# Altium PCB Power Distribution Board.PcbDoc (part 1 of 2) (continued)
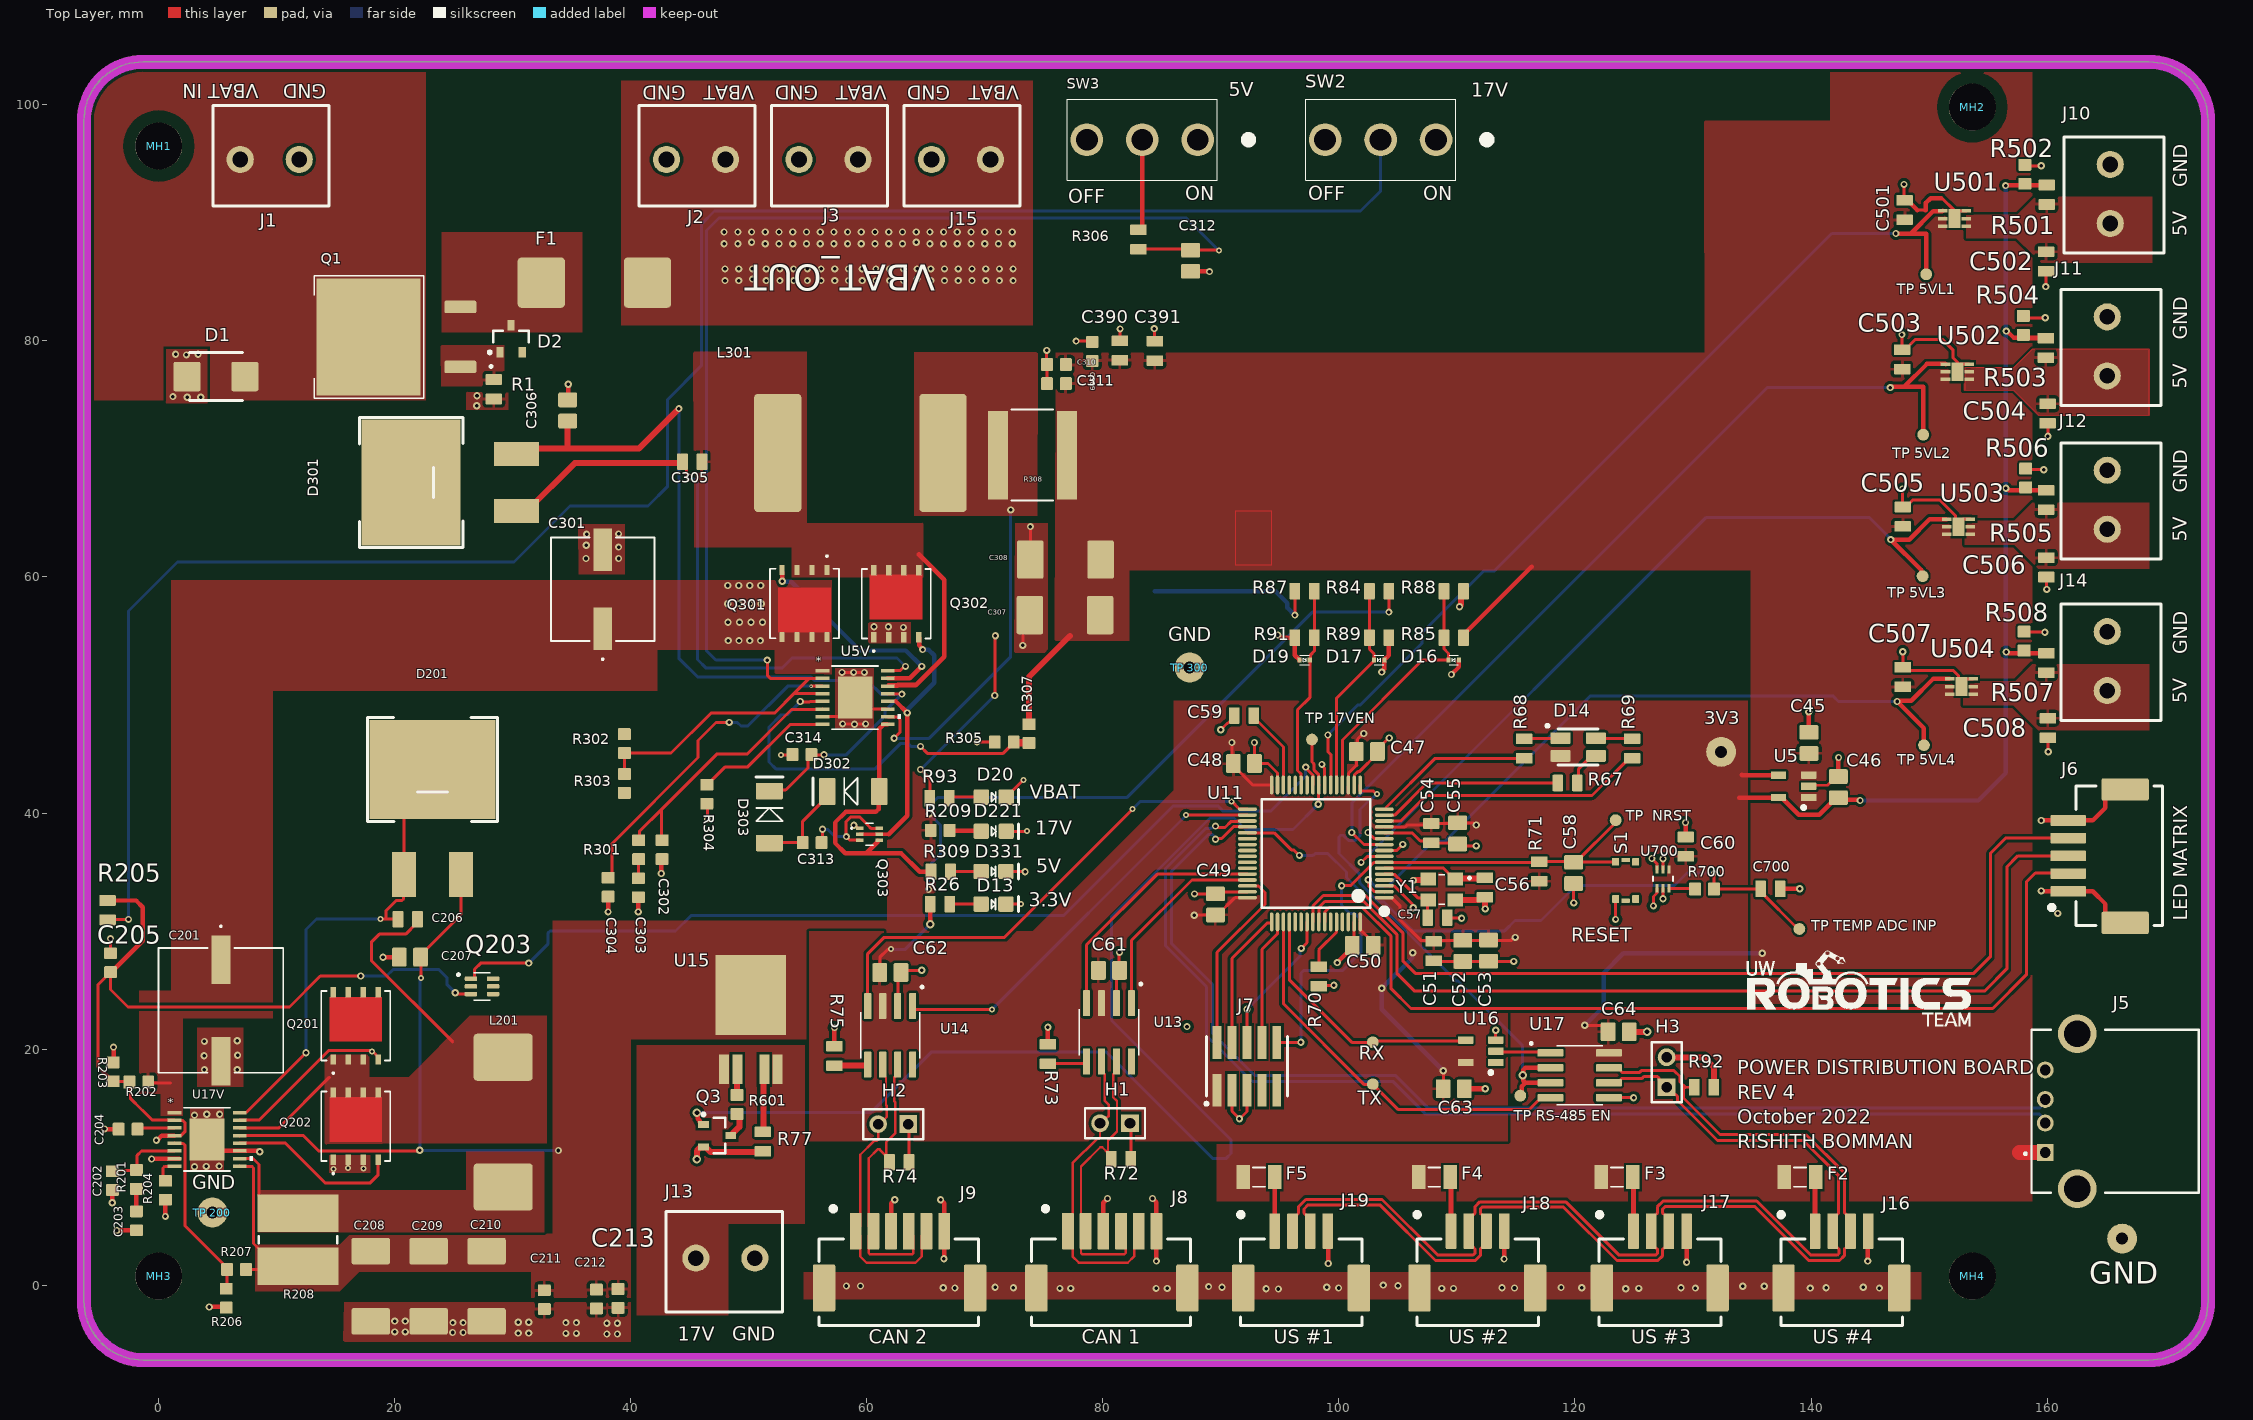
[diagram p0: Top Layer view]
## Footprints (in the part's own frame and the unit in brackets; to place one, negate y for a bottom-side part, rotate by r counter-clockwise, add the part's x,y. Pads: shape width x height; smd on the part's side, far side on the other; paste and mask are expansions set on the pad)
100SP1T1B4M2QE [mm]
  round 2.775 hole 1.85: 1(-4.7,0) 2(0,0) 3(4.7,0)
  silkscreen extent -9.3,-3.43 6.35,3.43, body extent -6.35,-3.43 6.35,3.43, height 29.63
1935161 [mm] "TERM BLK 2POS SIDE ENTRY 5MM PCB"
  round 2.3 hole 1.325: 1(-2.5,0) 2(2.5,0)
  silkscreen extent -5.01,-4.57 4.83,3.94, body extent -5.01,-5.06 5.39,3.94, height 11.41
CAP0603 [mm]
  rrect20% 1x1.1 smd: 1(-0.8,0) 2(0.8,0)
  body extent -0.87,-0.48 0.88,0.48, height 0.87
CAP0805 [mm] "Chip Capacitor, Body 2.0x1.2mm, Height 0.45mm, IPC Medium Density"
  rrect15% 0.9x1.4 smd: 1(-0.825,0) 2(0.825,0)
  body extent -1.1,-0.73 1.1,0.73, height 1.39
CAP2012 [mm]
  rrect20% 1.25x1.6 smd: 1(-0.895,0) 2(0.895,0)
  body extent -1.1,-0.7 1.1,0.75, height 1.41
CAP2917 [mm]
  rrect15% 2.25x3.25 smd: 1(-2.975,0) 2(2.975,0)
  body extent -3.78,-2.17 3.72,2.13, height 2.8
CAP_J-V_8X10P5_RUB-M [mil]
  rect 142x63 smd paste+0 mask+0: 1(-132,0) 2(132,0)
  silkscreen extent -236,-172 172,172, body extent -175,-167 175,167, height 415
CAP_UCD_10X10_NCH-M [mil]
  rect 162x63 smd paste+0 mask+0: 1(-169.5,0) 2(169.5,0)
  silkscreen extent -283,-208 208,208, body extent -222,-203 222,203, height 415
CP_6_3_ADI-M [mil]
  rect 32x11.78 smd paste+0 mask+0: 1(-39.5,25.59) 2(-39.5,0) 3(-39.5,-25.59) 4(39.5,-25.59) 5(39.5,0) 6(39.5,25.59)
  rect 39.37x62.99 smd paste+0 mask+0: 7(0,0)
  body extent -39,-39 39,39, height 4
"D2PAK (TO-263AB)" [mm] "TO-252AA"
  rect 2.032x3.81 smd: 1(-2.41,-8.905) 2(2.41,-8.905)
  rect 10.66x8.38 smd: 3(0,0)
  silkscreen extent -5.5,-4.4 5.5,4.4, body extent -5.1,-9.6 5.1,6.1, height 4.4
D2PAK-4 [mm]
  rect 0.85x2.5 smd: 1(-2.28,-4.2) 2(-1.14,-4.2) 4(1.14,-4.2) 5(2.28,-4.2)
  rect 6x6.75 smd: 3(0,2.1)
  body extent -3.25,-4.7 3.25,5.2, height 2.3
DFN5X6_8L_EP1_P_AOS-L [mil]
  rect 34x18 smd paste+0 mask+0: 1(-112,75) 2(-112,25) 3(-112,-25) 4(-112,-75) 5(112,-75) 6(112,-25) 7(112,25) 8(112,75)
  Top Layer region: 96,-87.5 96,87.5 -52,87.5 -52,-87.5
  silkscreen extent -161,-115 116,115, body extent -121,-110 121,110, height 39
"DPAK254P1524X483-4_3N - new" [mm]
  rrect25% 2.7x1.06 smd: 1(-6.4,2.54) 3(-6.4,-2.54)
  rect 8.8x9.9 smd: 2(1.397,0)
  silkscreen extent -9.1,-5.2 5.97,5.2, body extent -7.62,-5.08 7.62,5.08, height 4.83
DRL6-M [mm]
  rect 0.705x0.25 smd: 1(-0.802,0.5) 2(-0.802,0) 3(-0.802,-0.5) 4(0.802,-0.5) 5(0.802,0) 6(0.802,0.5)
  silkscreen extent -0.2,-0.85 0.2,0.85, body extent -0.85,-0.85 0.85,0.85, height 0.6
ES6-M [mil]
  rect 25x12 smd paste+0 mask+0: 1(-32,20) 2(-32,0) 3(-32,-20) 4(32,-20) 5(32,0) 6(32,20)
  silkscreen extent -62,-36 12,36, body extent -31,-31 31,31, height 22
FTSH-105-01-F-DV-K-P-TR [mil] "Samtec programming header 10 positions"
  rect 29x110 smd mask+2: 1(-100,-80) 2(-100,80) 3(-50,-80) 4(-50,80) 5(0,-80) 6(0,80) 7(50,-80) 8(50,80) 9(100,-80) 10(100,80)
  silkscreen extent -140,-130 135,100, body extent -125,-175 125,115, height 276
FUSE_1206 [mil]
  rect 45x80 smd mask+1: 1(-52.5,0) 2(52.5,0)
  silkscreen extent -20,-32 20,32, body extent -65,-32 65,32, height 32
FUSE_3912 [mm] "Chip Fuse, Body 9.8x2.03mm"
  rrect15% 4x4.25 smd: 1(-4.5,0) 2(4.5,0)
  body extent -4.9,-1.53 4.9,1.53, height 3.18
HDR1X2 [mm] "Connector; Header; 2 Position"
  rect 1.5x1.5 hole 0.9: 1(0,0)
  round 1.5 hole 0.9: 2(2.54,0)
  silkscreen extent -1.27,-1.27 3.81,1.27, body extent -1.27,-1.27 3.81,1.27, height 6.35
IND_BOURNS_SRP1265 [mm]
  rrect15% 4x5 smd: 1(-5.5,0) 2(5.5,0)
  body extent -6.95,-6.74 6.95,6.74, height 5.94
IND_MWLA1707S [mm]
  rrect15% 4x10 smd: 1(-7,0) 2(7,0)
  body extent -8.57,-8.57 8.6,8.57, height 7
LED_0805_GREEN [mm] "SMD, 2-Leads, Body 2x1.25mm"
  rrect20% 1.3x1.3 smd: 1(-1.05,0) 2(1.05,0)
  silkscreen extent -0.18,-0.64 2.11,0.64, body extent -1,-0.62 1,0.63, height 1.12
LED_RGB [mm]
  rrect20% 1x1.7 smd: 1(-0.75,-1.5) 2(-0.75,1.5) 3(0.75,1.5) 4(0.75,-1.5)
  silkscreen extent -1.92,-2.72 1.53,1.7, body extent -1.4,-1.75 1.4,1.75, height 1.89
LT3845AIFE#PBF [mil]
  rect 46x12 smd paste+0 mask+0: 1(-109,89.6) 2(-109,64) 3(-109,38.4) 4(-109,12.8) 5(-109,-12.8) 6(-109,-38.4) 7(-109,-64) 8(-109,-89.6) 9(109,-89.6) 10(109,-64) 11(109,-38.4) 12(109,-12.8) 13(109,12.8) 14(109,38.4) 15(109,64) 16(109,89.6)
  rect 116x141 smd paste-70 mask+0: 17(0,0)
  silkscreen extent -77,-106 152,106, body extent -126,-100 126,101, height 67
MOLEX-5025850470 [mm] "CLIK-Mate, Surface Mount, Right Angle, 1.5mm pitch"
  rrect15% 1.9x4 smd: 0(-7.125,4.82) 0(2.675,4.82)
  rrect15% 0.9x3 smd: 1(0,0) 2(-1.5,0) 3(-3,0) 4(-4.5,0)
  silkscreen extent -7.4,-1.6 3.07,8, body extent -7.45,-0.62 2.85,7.88, height 6.41
MOLEX-5025850570 [mm]
  rrect15% 1.9x4 smd: 0(-8.625,4.82) 0(2.675,4.82)
  rrect15% 0.9x3 smd: 1(0,0) 2(-1.5,0) 3(-3,0) 4(-4.5,0) 5(-6,0)
  silkscreen extent -8.9,-1.6 2.9,8, body extent -8.9,-0.5 2.9,8, height 6.21
MOLEX-5025850670 [mm]
  rrect15% 1.9x4 smd: 0(-10.125,4.82) 0(2.675,4.82)
  rrect15% 1x3.1 smd: 1(0,0) 2(-1.5,0) 3(-3,0) 4(-4.5,0) 5(-6,0) 6(-7.5,0)
  silkscreen extent -10.4,-2.1 3.1,8, body extent -10.25,-0.62 3.05,7.88, height 6.41
MOUNTING_HOLE_5/38#1 [mm] "Meant to use with Mcmaster-carr PN: 91443A250"
  round 3.97 hole 3.97 unplated mask+0.3: 0(-3.048,-2.286)
MOUNTING_HOLE_5/38#2 [mm] "Meant to use with Mcmaster-carr PN: 91443A250"
  round 3.97 hole 3.97 unplated mask+0.3: 0(33.274,0.508)
MOUNTING_HOLE_5/38#3 [mm] "Meant to use with Mcmaster-carr PN: 91443A250"
  round 3.97 hole 3.97 unplated mask+0.3: 0(-1.524,0)
MOUNTING_HOLE_5/38#4 [mm] "Meant to use with Mcmaster-carr PN: 91443A250"
  round 3.97 hole 3.97 unplated mask+0.3: 0(31.242,0.254)
RES0603 [mm] "Chip Resistor, Body 1.6x0.8mm, IPC Medium Density"
  rrect15% 1x1.1 smd: 1(0,0) 2(1.6,0)
  body extent 0,-0.4 1.6,0.4, height 0.46
RES0805 [mm] "Chip Resistor, 2-Leads, Body 2.00x1.25mm, IPC High Density"
  rrect15% 0.9x1.4 smd: 1(-0.825,0) 2(0.825,0)
  body extent -1,-0.62 1,0.63, height 0.61
SOD-128 [mm]
  rrect15% 1.4x2.3 smd: 1(-2.2,0) 2(2.2,0)
  silkscreen extent -0.36,-1.15 3.4,1.15, body extent -2.43,-1.24 2.43,1.24, height 1.05
SOD-923 [mm]
  rrect15% 0.35x0.45 smd mask+0.05: 1(-0.437,0) 2(0.437,0)
  silkscreen extent -0.4,-0.4 0.4,0.4, body extent -0.53,-0.32 0.53,0.32, height 0.43
SOIC127P600X175-8N [mm]
  rrect15% 2.2x0.6 smd: 1(-2.475,1.905) 2(-2.475,0.635) 3(-2.475,-0.635) 4(-2.475,-1.905) 5(2.475,-1.905) 6(2.475,-0.635) 7(2.475,0.635) 8(2.475,1.905)
  silkscreen extent -4.2,-2.51 1.95,2.8, body extent -3,-2.45 3,2.45, height 1.75
SOT23-3 [mm] "SOT23, 3-Leads, Body 2.90x2.30mm, Pitch 0.95mm, IPC Medium Density"
  rect 0.9x0.6 smd: 1(-1.15,0.95) 2(-1.15,-0.95) 3(1.15,0)
  silkscreen extent -1.27,-1.5 0.7,1.92, body extent -1.3,-1.5 1.3,1.5, height 1.1
SOT23-5 [mm]
  rrect15% 1.3x0.63 smd: 1(-1.279,0.95) 2(-1.279,0) 3(-1.279,-0.95) 4(1.279,-0.95) 5(1.279,0.95)
  silkscreen extent -0.99,1.66 -0.71,1.94, body extent -1.4,-1.45 1.4,1.45, height 1.2
SOT363 [mm]
  rrect50% 1.06x0.39 smd: 1(-0.935,0.65) 2(-0.935,0) 3(-0.935,-0.65) 4(0.935,-0.65) 5(0.935,0) 6(0.935,0.65)
  silkscreen extent -2.1,-1.16 0.68,1.16, body extent -1.05,-1 1.05,1, height 1.01
STA_CSSH2728_STP-M [mil]
  rect 67x295 smd paste+0 mask+0: 1(-115.5,0) 2(115.5,0)
  silkscreen extent -70,-152 70,152, body extent -137,-146 137,146, height 49
STAC-CSS2725-099H_V [mm] "Chip Resistor, 2-Leads, Body 7.06x6.7mm"
  rect 3.18x6.86 smd: 1(-2.25,0) 2(2.25,0)
  silkscreen extent -0.3,-3.33 0.3,3.33, body extent -3.53,-3.35 3.53,3.35, height 1.24
STM-LQFP64_L [mm] "QFP, 64-Leads, Body 10x10mm, Pitch 0.5mm, IPC High Density"
  oval 1.6x0.3 smd: 1(-5.8,3.75) 2(-5.8,3.25) 3(-5.8,2.75) 4(-5.8,2.25) 5(-5.8,1.75) 6(-5.8,1.25) 7(-5.8,0.75) 8(-5.8,0.25) 9(-5.8,-0.25) 10(-5.8,-0.75) 11(-5.8,-1.25) 12(-5.8,-1.75) 13(-5.8,-2.25) 14(-5.8,-2.75) 15(-5.8,-3.25) 16(-5.8,-3.75) 33(5.8,-3.75) 34(5.8,-3.25) 35(5.8,-2.75) 36(5.8,-2.25) 37(5.8,-1.75) 38(5.8,-1.25) 39(5.8,-0.75) 40(5.8,-0.25) 41(5.8,0.25) 42(5.8,0.75) 43(5.8,1.25) 44(5.8,1.75) 45(5.8,2.25) 46(5.8,2.75) 47(5.8,3.25) 48(5.8,3.75)
  oval 0.3x1.6 smd: 17(-3.75,-5.8) 18(-3.25,-5.8) 19(-2.75,-5.8) 20(-2.25,-5.8) 21(-1.75,-5.8) 22(-1.25,-5.8) 23(-0.75,-5.8) 24(-0.25,-5.8) 25(0.25,-5.8) 26(0.75,-5.8) 27(1.25,-5.8) 28(1.75,-5.8) 29(2.25,-5.8) 30(2.75,-5.8) 31(3.25,-5.8) 32(3.75,-5.8) 49(3.75,5.8) 50(3.25,5.8) 51(2.75,5.8) 52(2.25,5.8) 53(1.75,5.8) 54(1.25,5.8) 55(0.75,5.8) 56(0.25,5.8) 57(-0.25,5.8) 58(-0.75,5.8) 59(-1.25,5.8) 60(-1.75,5.8) 61(-2.25,5.8) 62(-2.75,5.8) 63(-3.25,5.8) 64(-3.75,5.8)
  silkscreen extent -5.93,-4.6 4.6,5.02, body extent -5.98,-6 6.02,6, height 1.56
TACTILE_SWITCH_SMD [mm]
  rrect15% 0.65x0.6 smd: 1(-1.575,0.85) 2(1.575,0.85) 3(1.575,-0.85) 4(-1.575,-0.85)
  rrect15% 0.35x0.7 smd: 5(1.725,0) 6(-1.725,0)
  body extent -1.75,-1.35 1.75,1.35, height 1.6
TESTPOINT_CIRCLE_1MM [mm]
  round 1 smd: 1(0,0)
TESTPOINT_LOOP#1 [mm]
  round 2.54 hole 1.02: 1(0,0)
  body extent -1.27,-1.27 1.27,1.27, height 4.57
TESTPOINT_LOOP#2 [mm]
  round 2.54 hole 1.02: 1(-10.62,0)
  body extent -1.27,-1.27 1.27,1.27, height 4.57
TVS_DIODE_BIDIR_SMB [mm] "DO-214AA, SMB"
  rrect15% 2.3x2.5 smd: 1(-2.45,0) 2(2.45,0)
  silkscreen extent -2.25,-2.03 2.25,2.03, body extent -2.7,-1.8 2.7,1.8, height 2.27
"USB-A 2.0 Connector - 3d ver" [mm]
  rect 1.428x1.428 hole 0.92: 1(-3.5,2.71)
  round 1.428 hole 0.92: 2(-1,2.71) 3(1,2.71) 4(3.5,2.71)
  round 3.276 hole 2.26: S1(-6.57,0) S2(6.57,0)
  silkscreen extent -6.9,-10.28 6.9,4.5, body extent -7.8,-10.28 7.8,3.88, height 6.99
XTAL_ECS-250-20-33-CKM-TR [mm]
  rect 1.3x1.1 smd: 1(-1.15,-0.9) 2(1.15,-0.9) 3(1.15,0.9) 4(-1.15,0.9)
  silkscreen extent -2.45,-1.25 0.27,1.25, body extent -1.62,-1.25 1.58,1.25, height 0.8

## Part data
3V3 GND "TP 200" "TP 300": "TESTPOINT THRUHOLE", Manufacturer 1="Keystone Electronics", Manufacturer Part Number 1=5002, Package/Footprint=TH, Supplier Part Number 1=36-5002-ND, Mounting Type=TH, Supplier 1=Digi-Key
C45 C46 C55 C58: "CAP CER 1UF 50V X7R 0805", LCSC Part #=C28323, Manufacturer 1="Samsung Electro-Mechanics", Manufacturer Part Number 1=CL21B105KBFNNNG, Package=0805, Supplier Part Number 1=1276-6470-1-ND, Voltage Rating=50V, Mounting Type=SMD, Supplier 1=Digi-Key
C47 C48 C49 C50 C52 C53 C61 C62 C63 C64 C312: "CAP CER 0.1UF 50V X7R 0805", Dielectric=X7R, LCSC Part #=C49678, Manufacturer 1="Murata Electronics", Manufacturer Part Number 1=GCM21BR71H104KA37K, Package/Footprint=0805, Supplier Part Number 1=490-8049-1-ND, Voltage Rating=50V, Mounting Type=SMD, Supplier 1=Digi-Key
C51 C59: "CAP CER 4.7UF 16V X5R 0805", Dielectric=X5R, LCSC Part #=C1779, Manufacturer 1="Samsung Electro-Mechanics", Manufacturer Part Number 1=CL21A475KOFNNNE, Package=0805, Supplier Part Number 1=1276-1065-1-ND, Voltage Rating=16V, Mounting Type=SMD, Supplier 1=Digi-Key
C54 C60 C700: "CAP CER 0.01uF 100V X7R 0805", Dielectric=X7R, LCSC Part #=C1710, Manufacturer 1="AVX Corporation", Manufacturer Part Number 1=08051C103KAT2A, Package=0805, Supplier Part Number 1=478-1358-1-ND, Voltage Rating=100V, Mounting Type=SMD, Supplier 1=Digi-Key
C56 C57: "CERAMIC CAP MLCC HIGH-Q 125C", Manufacturer="Murata Electronics", Manufacturer Part Number=GQM2195C2E140JB12D, Package=0805, Supplier Part Number 1=490-GQM2195C2E140JB12DCT-ND, Voltage Rating=250V, Mounting Type=SMD, Supplier 1=Digi-Key
C201: "CAP ALUM 47UF 20% 100V SMD", Manufacturer 1=Nichicon, Manufacturer Part Number 1=UUR2A470MNL1GS, Package/Footprint=SMD, Supplier Part Number 1=493-9589-1-ND, Voltage Rating=100V, Mounting Type=SMD, Supplier 1=Digi-Key
C202 C302: "CAP CER 100PF 100V C0G/NP0 0603", Dielectric="C0G, NP0", Manufacturer 1="Vishay Vitramon", Manufacturer Part Number 1=VJ0603A101JXAAC, Supplier Part Number 1=06031A101FAT2A, Voltage Rating=100V, Supplier 1="Arrow Electronics"
C203: "CAP CER 2200PF 100V X7R 0603", Dielectric="C0G, NP0", Manufacturer 1="Vishay Vitramon", Manufacturer Part Number 1=VJ0603A101JXAAC, Supplier Part Number 1=0603B222K101CT, Voltage Rating=100V, Supplier 1="Arrow Electronics"
C204 C304: "CAP CER 8200PF 100V X7R 0603", Dielectric="C0G, NP0", Manufacturer 1="Vishay Vitramon", Manufacturer Part Number 1=VJ0603A101JXAAC, Supplier Part Number 1=06031C822KAT2A, Voltage Rating=100V, Supplier 1="Arrow Electronics"
C205 C213 C311: "CAP CER 0.1UF 16V X7R 0603", Dielectric=X7R, Manufacturer 1=Yageo, Manufacturer Part Number 1=CC0603KRX7R7BB104, Package=0603, Supplier Part Number 1=311-1088-1-ND, Voltage Rating=16V, Supplier 1=Digi-Key
C206 C305: "CAP CER 0.1UF 100V X7R 0805", Manufacturer 1="TDK Corporation", Manufacturer Part Number 1=C2012X7R2A104K125AA, Package=0805, Supplier Part Number 1=445-1418-1-ND, Voltage Rating=100V, Supplier 1=Digi-Key, Supplier 2="Arrow Electronics", Supplier Part Number 2=CL21B104KCFNNNE
C207: "CAP CER 1UF 100V X7S 0805", Dielectric=X7R, LCSC Part #=C5378, Manufacturer 1=KEMET, Manufacturer Part Number 1=C0805C224K5RACTU, Package=0805, Supplier Part Number 1=79AH1080, Voltage Rating=100V, Mounting Type=SMD, Supplier 1=Newark
C208 C209 C210: "CAP TANT 22UF 20% 25V 2917", Manufacturer 1="AVX Corporation", Manufacturer Part Number 1=F971A106MBAHT3, Supplier Part Number 1=TPSD226M025R0100, Voltage Rating=25V, Supplier 1="Arrow Electronics"
C211 C309: "CAP CER 4.7UF 16V X6S 0603", Dielectric=X6S, Manufacturer 1="Murata Electronics", Manufacturer Part Number 1=GRM188C81C475KE11D, Package=0603, Supplier Part Number 1=490-13362-1-ND, Voltage Rating=16V, Mounting Type=SMD, Supplier 1=Digi-Key
C212 C310: "CAP CER 2.2UF 25V X5R 0603", Dielectric=5, Manufacturer 1="TDK Corporation", Manufacturer Part Number 1=C1608X5R1E225K080AB, Supplier Part Number 1=445-5964-1-ND, Voltage Rating=25V, Supplier 1=Digi-Key
C301: "CAP. ALUM 33UF 100V 20% SMD", Manufacturer 1=RubyCon, Manufacturer Part Number 1=100SGV33M10X10.5, Package/Footprint=SMD, Supplier Part Number 1=1189-2387-1-ND, Voltage Rating=100V, Mounting Type=SMD, Supplier 1=Digi-Key
C303: "CAP CER 5600PF 100V X7R 0603", Dielectric="C0G, NP0", Manufacturer 1="Vishay Vitramon", Manufacturer Part Number 1=VJ0603A101JXAAC, Supplier Part Number 1=06031C562JAT2A, Voltage Rating=100V, Supplier 1="Arrow Electronics"
C306: "CAP CER 2.2UF 100V X7T 0805", Dielectric=X7R, LCSC Part #=C5378, Manufacturer 1=KEMET, Manufacturer Part Number 1=C0805C224K5RACTU, Package=0805, Supplier Part Number 1=81-GRM21BD72A225ME1K, Voltage Rating=100V, Mounting Type=SMD, Supplier 1=Mouser
C307 C308: "CAP TANT 150UF 10% 16V 2917", Manufacturer 1="AVX Corporation", Manufacturer Part Number 1=F971A106MBAHT3, Supplier Part Number 1=TPSD157K016R0060, Voltage Rating=16V, Supplier 1="Arrow Electronics"
C313 C314: "CAP CER 1UF 25V X5R 0603", Dielectric=X5R, Manufacturer 1=Samsung, Manufacturer Part Number 1=CL10A105KA8NNNC, Package=0603, Supplier Part Number 1=1276-1102-1-ND, Voltage Rating=25V, Mounting Type=SMD, Supplier 1=Digi-Key
C390 C391: "PLACEHOLDER CAPACITOR", Package=0805, Mounting Type=SMD
C501 C502 C503 C504 C505 C506 C507 C508: "CAP CER 1UF 16V X7R 0805", Dielectric=X7R, Manufacturer 1=Yageo, Manufacturer Part Number 1=CC0805KKX7R7BB105, Package=0805, Supplier Part Number 1=311-1365-1-ND, Voltage Rating=16V, Mounting Type=SMD, Supplier 1=Digi-Key
D1: "TVS DIODE 51VWM 82.4VC DO214AA", Manufacturer 1=Littelfuse, Manufacturer Part Number 1=SMBJ26CA, Package/Footprint=SMB, Supplier Part Number 1=SMBJ51CALFCT-ND, Voltage - Breakdown (Min)=56.7V, Voltage - Clamping (Max) @ Ipp=82.4V, Voltage - Reverse Standoff (Typ)=51V, Mounting Type=SMD, Supplier 1=Digi-Key, Supplier 2=Digi-Key, Supplier Part Number 2=SMBJ51CA-FDIDKR-ND
D2: "DIODE ZENER 51V 250MW TO236AB", Forward Voltage=0.9V, Manufacturer 1="Nexperia USA Inc.", Manufacturer Part Number 1=BZX84-C51,215, Package/Case=SOT-23-3, Supplier Part Number 1=1727-5037-1-ND, Working Voltage=51V, Supplier 1=Digi-Key
D13 D20 D221 D331: "LED GREEN DIFFUSED 0805 SMD", Forward Voltage Drop=2.2V, Manufacturer 1=OSRAM, Manufacturer Part Number 1="LG R971-KN-1", Package/Footprint=0805, Supplier Part Number 1=475-1410-1-ND, Mounting Type=SMD, Supplier 1=Digi-Key, Supplier 2="Future Electronics", Supplier Part Number 2=1152237
D14: "LED RGB DIFFUSED 4PLCC SMD", Color=Blue,Green,Red, Forward Voltage=3.1V, Lens Color=White, Manufacturer 1=Broadcom, Manufacturer Part Number 1=ASMB-MTB1-0A3A2, Package/Footprint=4-PLCC, Supplier Part Number 1=516-3280-1-ND, Test Current=20mA, Dominant Wavelength=470nm, Lens Style=Round, Lens Transparency=Diffused, Luminous Intensity=350mcd, Mounting Type=SMD, Number of Pins=4, Supplier 1=Digi-Key, Viewing Angle=115°
D16 D17 D19: "TVS DIODE 3.3VWM 11VC SOD923", Manufacturer 1="Central Semiconductor Corp", Manufacturer Part Number 1="CMATVS3V3 TR PBFREE", Package/Footprint=SOD-923, Supplier Part Number 1=1514-CMATVS3V3TRPBFREECT-ND, Voltage - Breakdown (Min)=5V, Voltage - Clamping (Max) @ Ipp=11V, Voltage - Reverse Standoff (Typ)=3.3V, Mounting Type=SMD, Supplier 1=Digi-Key, Supplier 2=Mouser, Supplier Part Number 2=610-CMATVS3V3
D201 D301: library part DIO_SCHOTTKY_100V_10A, "DIODE SCHOTTKY 100V 10A TO263AB", Forward Current=10A, Manufacturer 1="Vishay General Semiconductor - Diodes Division", Manufacturer Part Number 1=MB10H100HE3_B/I, Package/Footprint=TO-263AB, Supplier Part Number 1=112-MB10H100HE3_B/ICT-ND, Mounting Type=SMD, Supplier 1=Digi-Key, Vr (Max)=100V
D302 D303: "DIODE SCHOTTKY 30V 2A PMDTM", Manufacturer 1="Rohm Semiconductor", Manufacturer Part Number 1=RSX205LAM30TR, Package/Footprint=SOD-128, Supplier Part Number 1=RSX205LAM30CT-ND, Io=2A, Mounting Type=SMD, Supplier 1=Digi-Key, Vf (Max)=490mV, Vr (Max)=30V
F1: "FUSE SMT 3912 ENH BRK 250V 30A", Current Rating=30A, Manufacturer 1="Bel Fuse Inc.", Manufacturer Part Number 1=0678H9300-02, Package/Footprint=3912, Supplier Part Number 1=507-2254-1-ND, Mounting Type=SMD, Supplier 1=Digi-Key, Verified=No
F2 F3 F4 F5: "FUSE BOARD MNT 250MA 125VAC/VDC", Current Rating=250mA, Manufacturer 1=Littelfuse, Manufacturer Part Number 1=0466.250NR, Package/Footprint=1206, Supplier Part Number 1=F1452CT-ND, Mounting Type=SMD, Supplier 1=Digi-Key
H1 H2 H3: "HEADER 2X1", Manufacturer 1="TE Connectivity", Manufacturer Part Number 1=87220-2, Package/Footprint=TH, Supplier Part Number 1=A26542-ND, Mount="Through Hole", Mounting Type=TH, Supplier 1=Digi-Key
J1 J2 J3 J10 J11 J12 J13 J14 J15: "TERM BLK 2POS SIDE ENTRY 5MM", Current=18A, Manufacturer 1="Phoenix Contact", Manufacturer Part Number 1=1935161, Max Current Rating=16A, Package/Footprint=SMD, Supplier Part Number 1=277-1667-ND, Voltage=300V, Mounting Type=TH, Supplier 1=Digi-Key
J5: "USB-A (USB TYPE-A) USB 2.0 Receptacle Connector 4 Position Through Hole, Right Angle", Manufacturer 1=GCT, Manufacturer Part Number 1=USB1130-15-A, Supplier Part Number 1=2073-USB1130-15-ACT-ND, Supplier 1=Digi-Key
J6: "CONN HEADER SMD RIGHT ANGLE 1.5MM PITCH", Current Rating=2A, Manufacturer 1=Molex, Manufacturer Part Number 1=5025850570, Package/Footprint=SMD, Supplier Part Number 1=WM14469CT-ND, Family=CLIK-Mate, Mounting Type=SMD, Orientation="Right Angle", Supplier 1=Digi-Key
J7: "CONN HEADER SMD 10POS 1.27MM", Manufacturer 1=Samtec, Manufacturer Part Number 1=FTSH-105-01-F-DV-K, Supplier Part Number 1=SAM8796-ND, Mounting Type=SMD, Pitch=1.27mm, Supplier 1=Digi-Key
J8 J9: "CONN HEADER SMD RIGHT ANGLE 1.5 MM PITCH", Manufacturer 1=Molex, Manufacturer Part Number 1=5025850670, Package/Footprint=SMD, Supplier Part Number 1=WM12832CT-ND, Family=CLIK-Mate, Mounting Type=SMD, Supplier 1=Digi-Key
J16 J17 J18 J19: "CONN HEADER SMD RIGHT ANGLE 1.5 MM PITCH", Package/Footprint=SMD, Supplier Part Number 1=WM9449CT-ND, Family=CLIK-Mate, Mounting Type=SMD, Supplier 1=Digi-Key
L201: "22UH 20%  SMD POWER CHOKE", Current Rating=9A, DC Resistance (DCR)=37mOhms, Inductance=22μH, Inductance Tolerance=20%, Manufacturer 1="Bourns Inc.", Manufacturer Part Number 1=SRP1265A-220M, Saturation Current=12A, Mounting Type=SMD, Supplier 1="Arrow Electronics", Supplier Part Number 1=SRP1265A-220M
L301: "FIXED IND 10UH 13MOHM 24000MA", Current Rating=16.5A, DC Resistance (DCR)=13mR, Inductance=10μH, Manufacturer 1="Shenzhen Sunlord Electronics Co., Ltd.", Manufacturer Part Number 1=MWLA1707S-100MT, Saturation Current=24A, Supplier Part Number 1=3442-MWLA1707S-100MTCT-ND, Supplier 1=Digi-Key
Q1: "MOSFET P-CH 100V 38A D2PAK", Current - Continous Drain=38A, Manufacturer 1="Vishay Siliconix", Manufacturer Part Number 1=IRF5210STRLPBF, Package/Footprint=D2Pak, Supplier Part Number 1=IRF5210STRLPBFCT-ND, Id=120A, Mounting Type=SMD, Supplier 1=Digi-Key, Vdss=100V, Verified=No, Vgs (Max)=±15V
Q3: "MOSFET N-CH 20V 6A SOT-23", Manufacturer 1="Alpha & Omega", Manufacturer Part Number 1=AO3420, Supplier Part Number 1=785-1014-2-ND, Supplier 1=Digi-Key
Q201 Q202 Q301 Q302: library part NMOS_100V_15/47A_1, "MOSFET N-CH 100V 15A/47A 8DFN", Mfr_Name="Alpha and Omega Semiconductor", Supplier Part Number 1=785-1815-1-ND, Copyright="Copyright (C) 2022 Ultra Librarian. All rights reserved.", Digi-Key_Part_Number_1=785-1815-2-ND, Digi-Key_Part_Number_2=785-1815-1-ND, Digi-Key_Part_Number_3=785-1815-6-ND, Manufacturer_Part_Number=AONS66923, RefDes=RefDes, Supplier 1=Digi-Key, Type=DEV
Q203: "MOSFET 2N-CH 30V 0.25A SOT-363", DS Breakdown Voltage-Min=30V, Manufacturer 1="ON Semiconductor", Manufacturer Part Number 1=NTJD4001NT1G, Supplier Part Number 1=NTJD4001NT1GOSCT-ND, Supplier 1=Digi-Key
Q303: "MOSFET N/P-CH 20V 0.65A SOT563", Continuous Drain Current (ID)=650mA, Drain to Source Voltage (Vdss)=20V, Input Capacitance=100pF, Manufacturer 1=Diodes, Max Power Dissipation=350mW, Supplier Part Number 1=1514-CMLDM7585TRPBFREECT-ND, Rds On Max=230mOhms, Stock 1=72, Supplier 1=Digi-Key
R1 R77 R91 R205 R306: "RES 1K OHM 1% 1/8W 0805", LCSC Part #=C17513, Manufacturer 1=Yageo, Manufacturer Part Number 1=RC0805FR-071KL, Package=0805, Supplier Part Number 1=311-1.00KCRCT-ND, Mounting Type=SMD, Supplier 1=Digi-Key
R26: "RES 220 OHM 5% 1/2W 0805", LCSC Part #=C17557, Manufacturer 1="Panasonic Electronic Components", Manufacturer Part Number 1=ERJ-P06J221V, Package=0805, Supplier Part Number 1=P220ADCT-ND, Mounting Type=SMD, Supplier 1=Digi-Key
R67 R69: "RES 20 OHM 1% 1/8W 0805", LCSC Part #=C17581, Manufacturer 1=Yageo, Manufacturer Part Number 1=RC0805FR-0720RL, Package=0805, Supplier Part Number 1=311-20.0CRCT-ND, Mounting Type=SMD, Supplier 1=Digi-Key
R68 R72 R74 R92: "RES 120 OHM 1% 1/8W 0805", LCSC Part #=C17437, Manufacturer 1=Vishay, Manufacturer Part Number 1=CRCW0805120RFKEA, Package/Footprint=0805, Supplier Part Number 1=541-120CCT-ND, Mounting Type=SMD, Supplier 1=Digi-Key
R70 R71 R93 R501 R503 R505 R507: "RES 10K OHM 5% 1/8W 0805", LCSC Part #=C17414, Manufacturer 1="Panasonic Electronic Components", Manufacturer Part Number 1=ERJ-6GEYJ103V, Package/Footprint=0805, Supplier Part Number 1=P10KACT-ND, Mounting Type=SMD, Supplier 1=Digi-Key
R73 R75: "RES 0 OHM JUMPER 1/8W 0805", LCSC Part #=C17477, Manufacturer 1="Panasonic Electronic Components", Manufacturer Part Number 1=ERJ-6GEY0R00V, Package/Footprint=0805, Supplier Part Number 1=P0.0ACT-ND, Mounting Type=SMD, Supplier 1=Digi-Key
R84: library part RES_5.6kΩ_0805_5%, "RES 5.6K OHM 5% 1/8W 0805", Manufacturer 1=Yageo, Manufacturer Part Number 1=RC0805JR-075K6L, Package=0805, Supplier Part Number 1=311-5.6KARCT-ND, Tolerance=5%, Supplier 1=Digi-Key
R85: library part RES_2.2kΩ_0805_5%, "RES 2.2K OHM 5% 1/8W 0805", Manufacturer 1="Vishay Dale", Manufacturer Part Number 1=CRCW08052K20JNEAC, Package=0805, Supplier Part Number 1=541-4169-1-ND, Tolerance=5%, Supplier 1=Digi-Key
R87: "RES 15K OHM 1% 1/8W 0805", Manufacturer 1="Vishay Dale", Manufacturer Part Number 1=CRCW080515K0FKEA, Supplier Part Number 1=541-15.0KCCT-ND, Supplier 1=Digi-Key
R88: "RES 3.3K OHM 1% 1/8W 0805", LCSC Part #=C26010, Manufacturer 1="Vishay Dale", Manufacturer Part Number 1=CRCW06033K30FKEA, Package=0805, Supplier Part Number 1=541-3.30KHCT-ND, Mounting Type=SMD, Supplier 1=Digi-Key
R89: library part RES_1.2kΩ_0805_5%, "RES 1.2K OHM 5% 1/8W 0805", Manufacturer 1=Yageo, Manufacturer Part Number 1=RC0805JR-071K2L, Package=0805, Supplier Part Number 1=311-1.2KARCT-ND, Tolerance=5%, Supplier 1=Digi-Key
R201 R502 R504 R506 R508: "RES 20K OHM 1% 1/10W 0603", Manufacturer 1=Yageo, Manufacturer Part Number 1=RC0603FR-0720KL, Supplier Part Number 1=311-20.0KHRCT-ND, Supplier 1=Digi-Key
R202 R302: "RES 169K OHM 1% 1/10W 0603", Manufacturer 1=Yageo, Manufacturer Part Number 1=RC0603FR-07165KL, Supplier Part Number 1=RMCF0603FT169K, Supplier 1="Arrow Electronics"
R203 R206 R301 R303 R305: "RES 10K OHM 5% 1/10W 0603", Manufacturer 1=Yageo, Manufacturer Part Number 1=RC0603JR-0710KL, Package=0603, Supplier Part Number 1=311-10KGRCT-ND, Mounting Type=SMD, Supplier 1=Digi-Key
R204 R304: "RES 33K OHM 5% 1/10W 0603", Manufacturer 1=Yageo, Manufacturer Part Number 1=RC0603JR-0743KL, Supplier Part Number 1=CR0603-JW-333ELF, Supplier 1="Arrow Electronics"
R207: "RES 127K OHM 1% 1/10W 0603", Manufacturer 1="Stackpole Electronics Inc", Manufacturer Part Number 1=RMCF0603FT249K, Supplier Part Number 1=RC0603FR-07127KL, Supplier 1="Arrow Electronics"
R208: "RES 10mOHM 1% 4W 2728", Manufacturer 1=Yageo, Manufacturer Part Number 1=RC0603FR-07698KL, Supplier Part Number 1=CSSH2728FT10L0DKR-ND, Supplier 1=Digi-Key
R209: "RES 3K OHM 1% 1/10W 0603", Manufacturer 1=Yageo, Manufacturer Part Number 1=RC0603FR-073KL, Supplier Part Number 1=311-3.00KHRCT-ND, Supplier 1=Digi-Key
R307: "RES 30.9K OHM 0.5% 1/10W 0603", Manufacturer 1=Yageo, Manufacturer Part Number 1=RT0603DRD0730KL, Package=0603, Supplier Part Number 1=RMCF0603FT30K9, Tolerance=0.5%, Supplier 1="Arrow Electronics"
R308: "RES 0.005 OHM 1% 4W 2827", Manufacturer 1="Stackpole Electronics Inc", Manufacturer Part Number 1=CSSH2728FT5L00, Package/Footprint=2728, Supplier Part Number 1=CSSH2728FT5L00CT-ND, Mounting Type=SMD, Supplier 1=Digi-Key
R309: "RES 787 OHM 1% 1/8W 0805", Manufacturer 1=Yageo, Manufacturer Part Number 1=RC0805FR-07787RL, Package/Footprint=0805, Supplier Part Number 1=RHM.005APCT-ND, Mounting Type=SMD, Supplier 1=Digi-Key
R601: "RES 1K OHM 5% 1/10W 0603", Manufacturer 1=Yageo, Manufacturer Part Number 1=RC0603JR-071KL, Package=0603, Supplier Part Number 1=311-1.0KGRCT-ND, Mounting Type=SMD, Supplier 1=Digi-Key
R700: "RES 220 OHM 5% 1/10W 0603", Manufacturer 1=Yageo, Manufacturer Part Number 1=AC0603JR-07220RL, Package/Footprint=0603, Supplier Part Number 1=YAG3652CT-ND, Supplier 1=Digi-Key
RX "TP 5VL1" "TP 5VL2" "TP 5VL3" "TP 5VL4" "TP 17VEN" "TP  NRST" "TP RS-485 EN" "TP TEMP ADC INP" TX: "TESTPOINT 1MM CIRCLE"
S1: "SMT 3.0 X 2.6 MM TACT SWITCH WIT", Manufacturer 1="Würth Elektronik", Manufacturer Part Number 1=435151014824, Supplier Part Number 1=732-435151014824CT-ND, Supplier 1=Digi-Key
SW2: "SWITCH TOGGLE SPDT 5A 120V", Current Rating=5A, Manufacturer 1=E-Switch, Manufacturer Part Number 1=100SP1T1B4M2QE, Package/Footprint=TH, Supplier Part Number 1=EG2355-ND, Voltage Rating (DC)=28V, Mounting Type=TH, Supplier 1=Digi-Key, Throw Configuration=SPDT
SW3: library part SW_SPDT, "SWITCH TOGGLE SPDT 5A 120V", Current Rating=5A, Manufacturer 1=E-Switch, Manufacturer Part Number 1=100SP1T1B4M2QE, Package/Footprint=TH, Supplier Part Number 1=EG2355-ND, Voltage Rating (DC)=28V, Mounting Type=TH, Supplier 1=Digi-Key, Throw Configuration=SPDT
U5: "IC REG LINEAR 3.3V 500MA SOT23-5", Input Voltage (Max)=5.25V, Manufacturer 1="RICOH Electronic Devices Co., LTD.", Manufacturer Part Number 1=RP111N331B-TR-FE, Operating Temperature="-40°C - 85°C", Output Current=500mA, Output Voltage (Fixed)=3.3V, Package/Footprint=SOT-25, Supplier Part Number 1=2129-RP111N331B-TR-FECT-ND, Voltage Dropout (Max)=0.32V, Mounting Type=SMD, Supplier 1=Digi-Key
U5V U17V: "IC REG CTRLR BUCK 16TSSOP", Manufacturer 1="Analog Devices Inc.", Manufacturer Part Number 1=LT3845AIFE#PBF, Package/Footprint=16-TSSOP-EP, Supplier Part Number 1=584-LT3845AIFE#PBF, Mounting Type=SMD, Supplier 1=Mouser
U11: library part MCU_STM32F446RET6, "ARM Cortex-M4 32-bit MCU+FPU, 512 KB Flash, 128 KB Internal RAM, 50 I/Os, 64-Pin LQFP, -40 to 85 degC, Tray", I/Os (High Current)=50, Operating Frequency(F) (Processor speed) (MHz)=180, Package Description=LQFP64, Package Reference="64-Pin Low-profile Quad Flat Package, Body 10 x 10 mm, Pitch 0.5 mm", Supplier Part Number 1=497-15376-ND, Supply Voltage(Vcc) min (V)=1.7, ComponentLink1Description="Manufacturer URL", ComponentLink1URL=http://www.st.com/, ComponentLink2Description=Datasheet, ComponentLink2URL=http://www.st.com/st-web-ui/static/active/en/resource/technical/document/datasheet/DM00141306.pdf, Core="ARM Cortex-M4", D/A Converter=2, DatasheetVersion="Rev. 6", FLASH Size (Prog) (kB)=512, Internal RAM Size (kB)=128, Mounting Technology="Surface Mount", Packing=Tray, Supplier 1=Digi-Key
U13 U14: "IC TRANSCEIVER 1/1 8SOIC", Manufacturer 1=Maxim, Manufacturer Part Number 1=TCAN334GDR, Package/Footprint=14-SOIC, Supplier Part Number 1=296-49940-1-ND, Mounting Type=SMD, Supplier 1=Digi-Key
U15: "IC PWR SWITCH N-CHAN 1:1 TO252-5", Manufacturer 1="Infineon Technologies", Package/Footprint=TO-252-5, Supplier Part Number 1=BTS5014SDAAUMA1CT-ND, Manufacturer Part Number 1=BTS5014SDAAUMA1, Mounting Type=SMD, Supplier 1=Digi-Key, Supplier 2=Mouser, Supplier Part Number 2=726-BTS5014SDA
U16: "IC BUFFER NON-INVERT 5.5V 5TSOP", Manufacturer 1=onsemi, Manufacturer Part Number 1=M74VHC1GT50DTT1G, Package/Footprint=TSOP-5, Supplier Part Number 1=M74VHC1GT50DTT1GOSCT-ND, Mounting Type=SMD, Supplier 1=Digi-Key, Supplier 2=Newark, Supplier Part Number 2=83Y6957
U17: "IC RS485 TRANSCEIVER HALF 1/1 8SOIC", LCSC Part #=C9945, Manufacturer 1="Maxim Integrated", Manufacturer Part Number 1=MAX485CSA+T, Package/Footprint=8-SOIC, Supplier Part Number 1=MAX485CSA+TCT-ND, Supply Voltage="4.75V - 5.25V", Data Rate=2.5Mbps, Mounting Type=SMD, Protocol="RS422, RS485", Supplier 1=Digi-Key
U501 U502 U503 U504: "IC PWR SWITCH N-CHAN 1:1 6LFCSP", Manufacturer 1="Analog Devices Inc.", Manufacturer Part Number 1=ADP196ACPZN-R7, Package/Footprint="6-UDFN Exposed Pad, CSP", Mounting Type=SMD, Supplier 1="Arrow Electronics", Supplier Part Number 1=ADP196ACPZN-R7
U700: "SENSOR ANALOG -55C-130C 6SOT", Manufacturer 1="Texas Instruments", Manufacturer Part Number 1=TMP20AIDRLT, Package/Footprint=SOT-563, Supplier Part Number 1=296-25570-1-ND, Mounting Type=SMD, Supplier 1=Digi-Key
Y1: "CRYSTAL 25.0000MHZ 20PF SMD", Frequency=25MHz, Load Capacitance=20pF, Manufacturer 1="ECS Inc.", Manufacturer Part Number 1=ECS-250-20-33-CKM-TR, Package/Footprint=SMD, Supplier Part Number 1=XC1817CT-ND, Mounting Type=SMD, Supplier 1=Digi-Key

## Via types
v1: diameter 0.61, hole 0.305, Top Layer to Bottom Layer, 174 vias
v2: diameter 0.61, hole 0.305, Top Layer to Bottom Layer, tented both sides, 171 vias
v3: diameter 0.508, hole 0.254, Top Layer to Bottom Layer, tented both sides, 18 vias
v4: diameter 0.711, hole 0.406, Top Layer to Bottom Layer, tented both sides, 5 vias
v5: diameter 0.305, hole 0.152, Top Layer to Bottom Layer, 1 vias

## Nets (pads, with @x,y where several pads share a name; then routed paths per layer and width w, separated by ;. In a path a pad name is that pad's centre, name@x,y a point inside that pad or via, vN(x,y) a via of type N, cw(c..) or ccw(c..) an arc to the next point about the centre after c; other vN are vias at no path point)
3V3: 3V3.1 C46.2 C47.2 C48.2 C49.2 C50.2 C51.2 C52.2 C53.2 C54.2 C55.2 C60.2 C61.2 C62.2 C63.2 D14.4 J7.1 R26.2 R71.2 R501.2 R502.2 R503.2 R504.2 R505.2 R506.2 R507.2 R508.2 U5.4 U5.5 U11.1 U11.13 U11.19 U11.32 U11.48 U11.64 U13.3 U14.3 U16.5 U700.4 | length 156.9
  Top Layer w0.254: C62.2@61.094,26.486 61.094,27.77 61.75,28.425 62.004,28.425 v3(62.052,28.473) ; v2(87.732,31.344) 89.516,31.344 C49.2@89.535,31.363 89.71,31.363 91.173,32.826 U11.48@92.244,32.826 ; v2(90.932,45.974) 90.932,44.317 C48.2@91.053,44.196 91.053,44.021 92.698,42.376 U11.32@94.294,42.376 ; U11.19@100.794,42.376 100.803,42.385 100.803,43.367 101.467,44.031 C47.2@101.467,45.212 101.565,45.31 101.565,46.244 102.057,46.736 v2(102.108,46.736) ; U11.64@101.794,30.776 101.794,30.138 101.829,30.103 C50.2@103.003,28.929 ; U11.1@103.844,32.826 104.482,32.826 105.156,32.152 105.156,30.988 106.928,29.216 C52.2@110.49,29.216 114.608,29.216 114.856,29.464 v2(114.935,29.464) ; U11.13@103.844,38.826 105.617,38.826 105.786,38.995 107.632,38.995 107.823,39.186 C54.2@107.829,39.18 ; C54.2@107.823,39.116 110.007,39.116 C55.2@110.058,39.167 111.359,39.167 111.537,38.989 v2(111.633,38.989) ; C63.2@108.833,16.637 108.839,16.643 v2(108.839,18.161)
  Top Layer w0.381: v4(65.369,30.582) R26.2@65.369,32.283 ; 133.934,41.3 137.228,41.3 U5.5@137.244,41.316 137.579,41.316 137.703,41.191 137.703,41.113 138.963,39.853 140.693,39.853 142.141,41.3 142.336,41.105 144.12,41.105 v1(144.163,41.062) ; 134.112,43.256 134.153,43.216 U5.4@137.244,43.216 ; v1(156.489,93.167) 156.514,93.192 159.944,93.192 R501.2@159.969,93.217 ; v1(156.515,67.513) 156.577,67.513 156.754,67.335 R505.2@159.918,67.335 ; v1(156.54,53.645) 156.602,53.645 156.704,53.543 R507.2@159.944,53.543 ; v1(156.55,80.835) 156.612,80.835 157.158,80.289 R503.2@159.969,80.289 ; R504.2@157.912,80.239 R503.2@159.893,80.239
  Bottom Layer w0.254: v3(62.052,28.473) 62.101,28.425 63.212,28.425 v4(65.369,30.582)
  Bottom Layer w0.381: v2(106.248,28.169) 106.204,28.125 106.204,27.718 v2(103.632,25.146) 103.632,23.368 v2(108.839,18.161) ; v1(144.163,41.062) 154.168,41.062 156.515,43.409 v1(156.515,67.513) 156.515,80.743 156.474,80.784 156.495,80.804 156.495,93.162 v1(156.489,93.167)
5V: C45.2 C64.2 C307.1 C308.1 C309.2 C310.2 C311.1 C390.1 C391.1 C501.2 C503.2 C505.2 C507.2 D302.1 F2.2 F3.2 F4.2 F5.2 J5.1 Q303.4 R85.2 R307.1 R308.2 R309.1 U5.1 U5.3 U5V.9 U17.8 U501.5 U501.6 U502.5 U502.6 U503.5 U503.6 U504.5 U504.6 | length 65.1
  Top Layer w0.254: v2(120.828,22.022) 120.833,22.016 122.305,22.016 122.803,21.518 C64.2@122.803,21.463
  Top Layer w0.381: Q303.4@60.909,37.655 60.909,37.567 59.944,36.601 ; U5V.9@61.773,47.508 61.417,47.508 61.042,47.133 D302.1@61.042,41.834 60.986,41.777 60.986,40.335 60.744,40.094 58.204,40.094 57.302,39.192 57.302,37.465 58.166,36.601 59.944,36.601 ; R309.1@65.431,35.027 64.465,35.027 62.89,36.601 59.944,36.601 ; R85.2@110.553,54.864 110.553,55.114 116.323,60.884
  Top Layer w0.5: R307.1@73.736,47.523 73.736,51.537 77.209,55.009
  Top Layer w1.27: 157.678,11.232 J5.1@159.85,11.232
  Bottom Layer w0.381: v2(120.828,22.022) 122.418,23.612 122.418,26.435 124.101,28.118 v2(135.865,28.118)
5V_LOAD1: C502.2 J10.1 R501.1 U501.1 U501.2 | length 0.8
  Top Layer w0.254: U501.2@153.162,90.373 153.419,90.373 U501.2@153.441,90.351 ; J10.1@165.009,89.611 J10.1@165.354,89.956
5V_LOAD2: C504.2 J11.1 R503.1 U502.1 U502.2
5V_LOAD3: C506.2 J12.1 R505.1 U503.1 U503.2
5V_LOAD4: C508.2 J14.1 R507.1 U504.1 U504.2
17V_LOAD: J13.1 U15.1 U15.5